# Altium PCB ESP32-PicoDK.PcbDoc (continued)
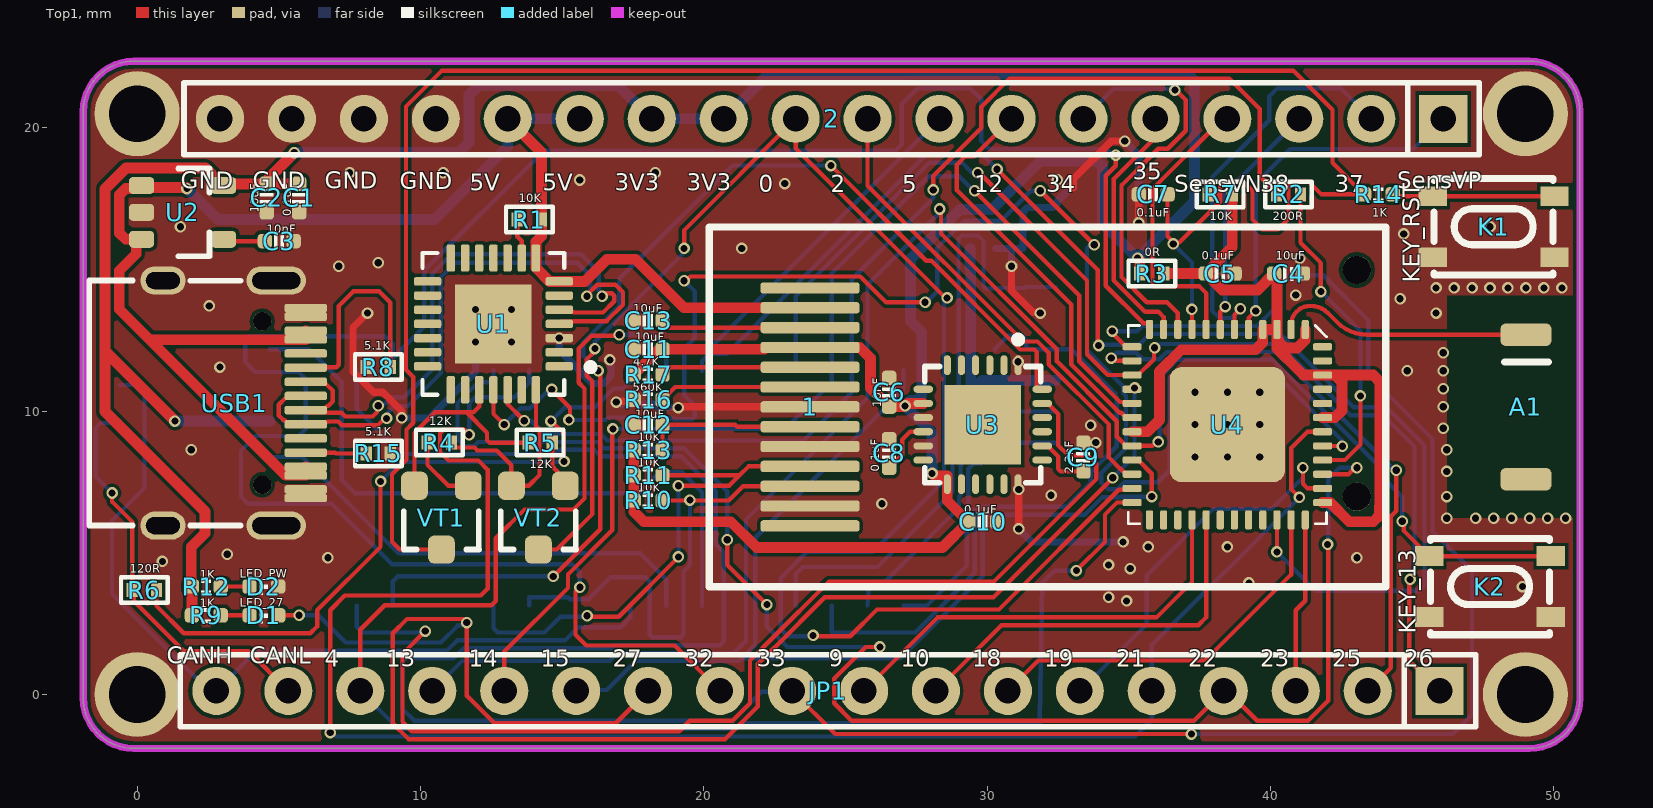
[diagram p0: Top1 view]
## Nets (pads, with @x,y where several pads share a name; then routed paths per layer and width w, separated by ;. In a path a pad name is that pad's centre, name@x,y a point inside that pad or via, vN(x,y) a via of type N, cw(c..) or ccw(c..) an arc to the next point about the centre after c; other vN are vias at no path point) (continued)
GPIO0: 2.10 U4.23 VT2.3 | length 58.3
  Top1 w0.152: VT2.3 14.811,5.116 16.066,6.37 16.066,11.046 15.862,11.249 15.862,11.273 15.862,11.828 16.154,12.119 v1(16.154,12.208) ; v1(19.304,15.748) 19.304,16.383 2.10 23.241,19.285 28.529,13.997 v1(28.589,13.997) ; v1(23.855,2.083) 23.88,2.058 25.172,2.058 26.114,3 30.418,3 34.644,7.226 35.07,7.226 U4.23
  Bottom2 w0.152: v1(16.154,12.208) 16.154,12.452 19.304,15.602 v1(19.304,15.748) ; v1(23.855,2.083) 23.83,2.058 22.963,2.058 22.713,2.308 22.713,4.112 23.633,5.032 25.962,5.032 28.477,7.547 28.477,13.908 28.566,13.997 v1(28.589,13.997)
GPIO2: 2.9 U4.22 | length 16.8
  Top1 w0.152: 2.9 25.781,17.958 31.281,12.458 31.776,12.458 32.177,12.057 32.177,11.652 34.298,9.531 34.298,8.366 34.718,7.947 34.734,7.947 34.906,7.775 U4.22
GPIO4: JP1.16 SW_CAN.5 U4.24 | length 57.5
  Top1 w0.152: JP1.16 7.874,2.286 8.737,3.149 12.5,3.149 12.652,3.302 12.652,5.515 13.668,6.531 15.396,6.531 15.786,6.921 15.786,10.803 15.583,11.006 15.583,11.389 15.583,12.211 16.036,12.665 16.983,12.665 v1(17.018,12.7) ; v1(33.15,4.372) 34.163,5.385 34.163,6.35 34.588,6.775 U4.24
  Bottom2 w0.152: JP1.16 9.207,-1.206 21.126,-1.206 21.316,-1.016 31.858,-1.016 31.861,-0.866 31.941,3.925 32.388,4.372 v1(33.15,4.372) ; v1(17.018,12.7) 18.269,12.7 18.669,12.3 SW_CAN.5
GPIO5: 2.8 SW_CAN.6 U4.34 | length 58.6
  Top1 w0.152: v1(30.353,18.542) 33.909,14.986 33.909,12.346 v1(33.936,12.319) ; v1(40.231,5.031) U4.34
  Bottom2 w0.152: SW_CAN.6 19.939,11.77 SW_CAN.6@20.188,12.018 ; 2.8 20.188,12.187 SW_CAN.6@20.188,12.018 ; v1(30.353,18.542) 29.842,19.053 27.845,19.053 20.811,12.018 SW_CAN.6@20.188,12.018 ; v1(33.936,12.319) 33.961,12.344 35.359,12.344 35.74,12.725 40.351,12.725 42.941,10.135 44.094,10.135 45.441,8.788 45.441,3.848 45.25,3.658 45.1,3.658 41.604,3.658 v1(40.231,5.031)
GPIO9: JP1.9 U4.28 | length 15.4
  Top1 w0.152: JP1.9 28.248,2.721 35.978,2.721 37.231,3.974 U4.28
GPIO10: JP1.8 U4.29 | length 14.1
  Top1 w0.152: JP1.8 30.508,2.441 37.452,2.441 37.731,2.721 U4.29
GPIO12: 2.7 U4.18 | length 14.2
  Top1 w0.152: 2.7 29.528,18.987 29.224,18.987 28.934,18.697 28.934,17.802 32.97,13.766 32.97,11.649 34.673,9.947 34.734,9.947 34.906,9.775 U4.18
GPIO13: JP1.15 K2.3 K2.4 SW_TF.7 U4.20 | length 62.2
  Top1 w0.152: v1(28.321,17.137) 28.37,17.089 28.37,16.275 32.456,12.189 32.456,11.768 34.578,9.646 34.578,9.102 34.733,8.947 34.906,8.775 35.833,8.775 35.974,8.915 v1(36.043,8.915) ; v1(44.653,6.116) 44.702,6.068 44.702,5.785 K2.4 45.926,4.885 K2.3
  Bottom2 w0.152: JP1.15 11.467,1.18 16.674,1.18 16.954,1.46 21.055,1.46 21.492,1.896 21.492,6.178 25.781,10.468 SW_TF.7 25.781,14.463 28.321,17.003 v1(28.321,17.137) ; v1(36.043,8.915) 36.092,8.965 36.092,11.2 36.703,11.811 40.08,11.811 44.035,7.855 44.035,7.587 44.653,6.969 v1(44.653,6.116)
GPIO14: JP1.14 SW_TF.6 U4.17 | length 39.8
  Top1 w0.152: JP1.14 12.954,1.512 15.204,3.762 15.204,4.239 16.764,5.799 16.764,9.347 v1(16.789,9.373) ; v1(29.556,17.78) 33.25,14.086 33.25,11.765 34.691,10.324 35.07,10.324 U4.17
  Bottom2 w0.152: v1(16.789,9.373) 22.866,9.373 24.511,11.017 24.511,14.861 27.94,18.291 29.01,18.291 29.521,17.78 v1(29.556,17.78)
GPIO15: JP1.13 SW_TF.8 U4.21 | length 38.6
  Top1 w0.152: U4.21 35.332,8.275 35.814,7.793 v1(35.814,6.985)
  Bottom2 w0.152: JP1.13 15.522,0.155 16.573,0.155 17.598,1.18 21.246,1.18 21.336,1.27 ; SW_TF.8 27.051,10.768 21.819,5.536 21.819,1.753 21.336,1.27 ; v1(35.814,6.985) 34.739,6.985 34.721,6.967 34.069,6.967 33.452,6.35 29.934,6.35 29.845,6.261 29.845,4.179 26.936,1.27 21.336,1.27
GPIO18: JP1.7 U4.35 | length 13.6
  Top1 w0.152: JP1.7 31.804,1.197 37.697,1.197 40.731,4.231 U4.35
GPIO19: JP1.6 U4.38 | length 13.7
  Top1 w0.152: v1(41.148,8.001) 41.148,7.437 41.31,7.275 U4.38
  Bottom2 w0.152: JP1.6 35.639,2.492 35.639,4.21 37.979,6.549 40.041,6.549 41.148,7.656 v1(41.148,8.001)
GPIO21: JP1.5 SW_OLED.4 U4.42 | length 64.6
  Top1 w0.152: v1(6.81,-1.343) 6.81,2.975 7.327,3.492 12.128,3.492 12.373,3.737 12.373,7.928 12.043,8.258 10.988,8.258 10.69,8.556 10.69,9.224 10.809,9.343 11.543,9.343 v1(11.714,9.172) ; v1(41.024,6.957) 40.742,7.239 40.742,8.707 41.31,9.275 U4.42
  Bottom2 w0.152: v1(6.81,-1.343) 6.879,-1.343 7.021,-1.485 35.218,-1.485 35.814,-0.889 35.814,1.747 v1(41.024,6.957) ; v1(11.714,9.172) 11.714,10.281 11.923,10.489 13.315,10.489 13.843,11.017 SW_OLED.4
GPIO22: JP1.4 SW_OLED.3 U4.39 | length 56
  Top1 w0.152: v1(20.826,5.464) 20.826,4.574 v1(22.225,3.175) ; v1(26.216,1.676) 25.714,1.676 24.601,0.563 24.601,-0.309 25.218,-0.926 37.301,-0.926 JP1.4 38.481,0.127 39.534,-0.926 41.33,-0.926 42.037,-0.219 42.037,5.28 v1(42.018,5.299) ; U4.39 42.758,7.775 42.984,8.001 v1(43.053,8.001)
  Bottom2 w0.152: SW_OLED.3 SW_OLED.3@12.573,11.027 ; v1(20.826,5.464) 20.826,7.168 19.307,8.687 16.48,8.687 16.253,8.914 12.031,8.914 11.883,8.765 11.546,8.765 11.308,9.003 11.308,10.292 12.043,11.027 ; v1(22.225,3.175) 22.225,2.401 22.949,1.676 v1(26.216,1.676) ; v1(42.018,5.299) 42.018,5.315 42.037,5.334 42.037,7.596 42.442,8.001 v1(43.053,8.001) ; 12.043,11.027 SW_OLED.3@12.573,11.027 ; 12.043,11.027 SW_OLED.3@12.573,11.027
GPIO23: JP1.3 U4.36 | length 6.2
  Top1 w0.152: JP1.3 40.894,2.975 41.231,3.312 U4.36
GPIO25: JP1.2 U4.14 | length 21.1
  Top1 w0.152: v1(34.38,11.875) 34.448,11.875 34.548,11.775 U4.14 ; JP1.2 44.247,0.94 44.247,6.285 44.442,6.479 v1(44.442,7.913)
  Bottom2 w0.152: v1(34.38,11.875) 34.569,12.065 35.257,12.065 35.491,11.832 36.08,11.832 36.339,12.09 40.195,12.09 44.373,7.913 v1(44.442,7.913)
GPIO26: JP1.1 SW_TF.5 U4.15 | length 42.5
  Top1 w0.152: v1(29.672,18.415) 29.724,18.415 33.529,14.61 33.529,12.008 34.262,11.275 35.332,11.275 35.892,11.836 35.892,12.143 35.912,12.163 v1(35.912,12.238) ; v1(44.933,4.064) 44.899,4.03 44.899,1.202 JP1.1
  Bottom2 w0.152: SW_TF.5 23.241,14.054 27.961,18.774 29.112,18.774 29.47,18.415 v1(29.672,18.415) ; v1(35.912,12.238) 35.98,12.238 36.112,12.37 40.311,12.37 42.826,9.855 43.979,9.855 44.809,9.025 45.085,8.749 45.085,4.285 44.933,4.133 v1(44.933,4.064) ; JP1.1@45.847,0.254 JP1.1
GPIO27: D1.2 JP1.12 U4.16 | length 57.2
  Top1 w0.152: D1.2 v1(5.715,2.794) ; JP1.12 16.891,-1.016 12.608,-1.016 11.703,-0.112 11.635,-0.043 v1(11.635,2.54) 11.508,2.667 9.525,2.667 9.017,2.159 9.017,-1.016 9.576,-1.575 20.757,-1.575 21.907,-0.425 21.907,1.079 22.479,1.652 22.493,1.652 24.271,3.429 30.226,3.429 34.437,7.64 v1(34.437,7.653) ; U4.16 35.163,10.82 v1(35.204,10.82)
  Bottom2 w0.152: v1(5.715,2.794) 6.401,2.794 7.363,1.832 10.711,1.832 11.318,2.439 11.465,2.439 11.566,2.54 v1(11.635,2.54) ; v1(34.437,7.653) 35.204,8.421 v1(35.204,10.82)
GPIO32: JP1.11 SW_IMU.4 U4.12 | length 77.1
  Top1 w0.152: v1(15.624,3.788) 15.472,3.635 15.472,2.111 15.853,1.73 18.971,1.73 JP1.11 ; v1(34.54,19.041) 34.54,18.665 34.188,18.313 34.188,14.43 35.509,13.11 35.682,13.11 35.731,13.061 U4.12
  Bottom2 w0.152: SW_IMU.4 9.017,11.546 SW_IMU.4@9.017,11.867 ; v1(15.624,3.788) 15.624,4.321 15.345,4.6 8.995,4.6 6.861,6.734 3.915,6.734 3.661,6.988 3.661,8.614 4.169,9.122 5.693,9.122 5.947,9.376 5.947,11.128 5.693,11.382 4.169,11.382 3.813,11.738 3.813,12.522 3.94,12.649 8.741,12.649 9.017,12.373 SW_IMU.4@9.017,11.867 ; v1(34.54,19.041) 34.421,19.041 34.206,19.256 30.077,19.256 29.797,19.536 29.797,21.009 29.416,21.39 27.537,21.39 26.983,20.836 26.983,19.414 26.775,19.205 14.365,19.205 10.135,14.975 10.135,12.985 SW_IMU.4@9.017,11.867
GPIO33: JP1.10 SW_IMU.3 U4.13 | length 100.7
  Top1 w0.152: JP1.10 24.638,-1.397 v1(37.211,-1.397) ; v1(34.417,12.827) 34.417,12.764 34.906,12.275 U4.13
  Bottom2 w0.152: SW_IMU.3 7.747,10.079 9.34,8.486 14.749,8.486 14.897,8.634 16.137,8.634 16.364,8.407 19.192,8.407 20.419,7.18 20.419,5.296 20.701,5.014 20.701,1.867 20.573,1.739 16.838,1.739 16.729,1.63 11.522,1.63 11.163,1.271 9.44,1.271 9.35,1.182 9.35,-0.492 9.784,-0.926 21.01,-0.926 22.035,0.099 23.086,0.099 JP1.10 ; v1(34.417,12.827) 35.304,12.827 35.484,13.008 39.526,13.008 40.218,13.699 40.218,14.373 40.64,14.795 41.867,14.795 43.459,13.203 43.459,11.278 45.72,9.017 45.72,5.764 47.117,4.367 47.117,-0.717 46.437,-1.397 v1(37.211,-1.397)
GPIO34: 2.6 U4.10 | length 14.7
  Top1 w0.152: v1(36.629,21.336) 36.629,21.366 37.011,20.983 37.011,19.901 36.377,19.267 36.043,19.267 34.747,17.971 34.747,14.734 35.635,13.846 36.351,13.846 36.731,13.466 U4.10
  Bottom2 w0.152: 2.6 34.454,21.373 36.591,21.373 v1(36.629,21.336)
GPIO35: 2.5 U4.11 | length 9
  Top1 w0.152: 2.5 35.941,19.671 34.468,18.198 34.468,14.618 35.578,13.508 36.046,13.508 36.231,13.323 U4.11
GPIO37: 2.2 U4.6 | length 14.6
  Top1 w0.152: U4.6 38.731,13.407 v1(38.941,13.617)
  Bottom2 w0.152: v1(38.941,13.617) 38.611,13.287 38.205,13.287 37.951,13.541 37.951,18.266 39.957,20.272 39.957,21.11 40.237,21.39 42.491,21.39 2.2
GPIO38: 2.3 U4.7 | length 8.6
  Top1 w0.152: U4.7 38.231,13.517 v1(38.408,13.694)
  Bottom2 w0.152: v1(38.408,13.694) 38.408,17.707 2.3
MPU_SCL: SW_IMU.2 U3.23 | length 40
  Top1 w0.152: v1(10.165,2.238) 9.361,1.434 9.361,-0.965 9.692,-1.295 19.137,-1.295 19.506,-0.926 21.01,-0.926 21.627,-0.309 21.627,1.195 21.791,1.359 22.363,1.931 24.423,3.991 30.239,3.991 33.858,7.61 33.858,8.138 33.563,8.433 32.872,8.433 32.512,8.792 32.512,9.897 32.219,10.19 32.219,10.2 32.144,10.275 U3.23
  Bottom2 w0.152: SW_IMU.2 7.747,2.391 7.949,2.189 9.936,2.189 ; 9.937,2.19 10.116,2.19 v1(10.165,2.238)
MPU_SDA: SW_IMU.1 U3.24 | length 39.2
  Top1 w0.152: v1(14.684,4.169) 16.345,5.829 16.345,11.354 v1(16.269,11.43) ; v1(24.489,18.672) 27.851,15.31 28.034,15.31 31.166,12.178 31.661,12.178 31.75,12.089 31.75,10.82 31.795,10.775 U3.24
  Bottom2 w0.152: SW_IMU.1 9.017,3.991 9.195,4.169 v1(14.684,4.169) ; v1(16.269,11.43) 15.748,11.951 15.748,12.441 17.018,13.712 17.018,14.672 21.018,18.672 v1(24.489,18.672)
Net1_3: 1.3 C13.2 | length 5.3
  Top1 w0.152: C13.2 18.79,12.951 1.3
Net1_5: 1.5 R17.1 | length 5.3
  Top1 w0.152: R17.1 18.799,11.551 1.5
Net1_6: 1.6 R16.1 | length 5.4
  Top1 w0.152: R16.1 18.988,10.851 1.6
Net1_8: 1.8 C12.2 R13.1 | length 6.1
  Top1 w0.152: R13.1 C12.2 21.111,9.516 21.176,9.451 1.8
NetA1_1: A1.1 U4.2 | length 17.8
  Top1 w0.152: U4.2@40.731,13.045 cw(c41.402,13.045) 41.402,13.716 ; U4.2@40.731,13.045 cw(c41.402,13.045) 41.402,13.716 ; U4.2@40.731,13.045 U4.2 U4.2@40.731,13.045 ; 41.402,13.716 41.424,13.716 ; 41.402,13.716 41.424,13.716 ; 41.424,13.716 cw(c41.424,12.849) 42.037,13.462 ; 41.424,13.716 cw(c41.424,12.849) 42.037,13.462 ; 42.037,13.462 42.368,13.131 ; 42.368,13.131 ccw(c43.409,14.172) 43.409,12.7 ; 42.368,13.131 ccw(c43.409,14.172) 43.409,12.7 ; 43.409,12.7 A1.1 43.409,12.7
NetC3_2: C3.2 U2.4 | length 1.5
  Top1 w0.152: U2.4 3.113,16.002 C3.2
NetC8_1: C8.1 U3.10 | length 2
  Top1 w0.152: C8.1 27.003,8.461 27.003,8.996 27.283,9.275 U3.10
NetC9_2: C9.2 U3.20 | length 2.1
  Top1 w0.152: U3.20 32.144,8.775 32.233,8.686 32.233,8.677 32.512,8.397 32.512,7.963 32.601,7.874 C9.2
NetD1_1: D1.1 R9.2 | length 1
  Top1 w0.152: R9.2 D1.1
NetD2_1: D2.1 R12.2 | length 1
  Top1 w0.152: R12.2 D2.1
NetK1_2: K1.3 K1.4 R14.1 | length 5.7
  Top1 w0.152: R14.1 44.391,17.585 K1.3
NetR1_1: R1.1 U1.9 | length 1.4
  Top1 w0.152: R1.1 13.418,16.16 13.573,16.005 U1.9
NetR2_1: R2.1 U1.26 | length 39.8
  Top1 w0.152: U1.26 13.073,10.25 v1(13.664,9.66) ; v1(28.096,17.808) 28.096,18.302 29.797,20.003 29.797,20.746 30.794,21.742 38.548,21.742 39.624,20.666 39.624,18.294 40.091,17.827 40.215,17.703 R2.1
  Bottom2 w0.152: v1(13.664,9.66) 13.911,9.66 14.378,9.193 16.369,9.193 16.596,8.966 23.521,8.966 25.225,10.671 25.225,14.659 28.096,17.529 v1(28.096,17.808)
NetR4_1: R4.1 VT1.1 | length 2.5
  Top1 w0.152: R4.1 10.243,8.106 10.983,7.366 VT1.1
NetR5_1: R5.1 VT2.1 | length 1.7
  Top1 w0.152: R5.1 14.649,8.055 14.821,7.883 14.821,7.653 VT2.1
NetR6_1: R6.1 SW_CAN.4 | length 24.9
  Top1 w0.152: R6.1 0.679,3.125 1.645,2.159 6.106,2.159 6.35,2.403 6.35,2.972 8.588,5.21 v1(8.588,7.521) ; v1(14.605,9.652) 14.624,9.652 15.065,9.211 v1(15.065,8.228)
  Bottom2 w0.152: v1(8.588,7.521) 9.273,8.206 15.044,8.206 v1(15.065,8.228) ; v1(14.605,9.652) 15.088,10.135 16.147,10.135 16.814,10.801 17.15,10.801 17.399,11.05 SW_CAN.4
NetR8_2: R8.2 USB1.A5 | length 7.8
  Top1 w0.152: USB1.A5 5.96,11.548 7.023,11.548 7.112,11.637 7.112,13.716 7.631,14.235 8.536,14.235 8.934,13.838 R8.2
NetR15_2: R15.2 USB1.B5 | length 2.1
  Top1 w0.152: USB1.B5 6.988,8.537 7.016,8.509 R15.2
OLED_SCL: 1.10 R11.1 SW_OLED.2 | length 18.7
  Top1 w0.152: v1(15.878,2.782) 15.914,2.746 16.996,2.746 v1(19.104,4.854) ; R11.1 21.262,7.738 ; v1(19.104,7.369) 20.893,7.369 21.262,7.738 ; 1.10 21.575,8.051 21.262,7.738
  Bottom2 w0.152: SW_OLED.2 12.573,2.34 12.724,2.189 14.38,2.189 14.937,2.746 15.843,2.746 v1(15.878,2.782) ; v1(19.104,4.854) v1(19.104,7.369)
OLED_SDA: 1.11 R10.1 SW_OLED.1 | length 19.8
  Top1 w0.152: R10.1 v1@19.498,6.849 ; v1(19.51,6.861) v1@19.498,6.849 ; 1.11 21.384,7.351 20.882,6.849 ; v1@19.498,6.849 20.882,6.849 ; v1@19.498,6.849 20.882,6.849
  Bottom2 w0.152: SW_OLED.1 13.843,3.432 15.204,3.432 15.277,3.359 15.932,3.359 16.716,4.143 17.936,4.143 18.088,3.991 18.088,2.108 18.177,2.018 19.193,2.018 19.282,2.108 19.282,4.346 19.51,4.575 v1(19.51,6.861)
RTS: R5.2 U1.24 VT1.2 | length 7.9
  Top1 w0.152: VT1.2 9.784,9.238 10.506,9.96 11.63,9.96 ; U1.24 12.073,10.168 11.865,9.96 11.63,9.96 ; R5.2 12.439,8.89 12.349,8.979 12.349,9.241 11.63,9.96
SD_CLK: R20.1 SW_TF.3 TF1.5 | length 22.6
  Bottom2 w0.152: SW_TF.3 24.511,2.213 24.535,2.189 27.46,2.189 29.566,4.294 29.566,6.515 29.68,6.629 32.807,6.629 33.653,7.476 33.653,7.839 34.578,8.763 34.578,10.477 34.519,10.536 34.519,10.643 32.976,12.186 31.474,12.186 31.382,12.278 31.382,12.5 31.221,12.661 30.739,12.661 R20.1
SD_CS: R21.1 SW_TF.1 TF1.2 | length 10.7
  Bottom2 w0.152: SW_TF.1 SW_TF.1@27.051,3.127 ; TF1.2 31.325,8.886 31.321,8.89 R21.1 30.27,8.84 30.103,8.673 30.103,8.44 29.82,8.157 29.537,8.157 29.337,7.957 29.337,6.681 29.286,6.63 29.286,4.556 27.857,3.127 ; SW_TF.1@27.051,3.127 27.857,3.127 ; SW_TF.1@27.051,3.127 27.857,3.127
SD_MISO: R18.1 SW_TF.4 TF1.7 | length 22.4
  Bottom2 w0.152: SW_TF.4 23.241,4.245 23.495,4.499 26.127,4.499 28.778,7.15 28.778,10.549 28.996,10.766 28.996,14.165 28.992,14.169 28.992,16.082 29.111,16.201 29.679,16.201 29.874,16.007 29.874,14.405 29.95,14.329 ; TF1.7 31.356,14.386 31.321,14.351 R18.1 R18.1@30.27,14.329 ; 29.95,14.329 R18.1@30.27,14.329 ; 29.95,14.329 R18.1@30.27,14.329
SD_MOSI: R19.1 SW_TF.2 TF1.3 | length 11.4
  Bottom2 w0.152: SW_TF.2 25.845,3.991 26.402,3.991 29.007,6.595 29.007,6.983 29.058,7.034 29.058,8.073 29.422,8.437 29.704,8.437 29.823,8.556 29.823,9.586 30.096,9.859 30.146,9.859 30.27,9.983 R19.1 30.317,9.986 TF1.3
SENSOR_VN: 2.4 U4.8 | length 10.3
  Top1 w0.152: U4.8 37.731,14.167 37.494,14.405 35.899,14.405 35.836,14.468 35.836,17.839 38.316,20.32 2.4
SENSOR_VP: 2.1 U4.5 | length 12.8
  Top1 w0.152: U4.5 39.231,13.287 v1(39.485,13.541)
  Bottom2 w0.152: v1(39.485,13.541) 39.485,18.038 40.704,19.256 45.037,19.256 2.1
USB-PWR-DM: U1.5 USB1.A7 USB1.B7 | length 20.3
  Top1 w0.152: USB1.B7 6.023,10.963 6.666,10.963 6.902,10.727 6.902,10.347 6.739,10.184 6.696,10.184 USB1.A7@6.549,10.037 ; USB1.A7@6.023,9.963 6.549,9.963 6.688,9.963 6.712,9.939 7.219,9.939 7.345,9.814 8.31,9.814 8.46,9.964 ; U1.5 14.973,13.505 15.371,13.505 15.393,13.483 16.442,13.483 16.84,13.881 16.84,14.073 16.751,14.162 16.579,14.162 16.477,14.06 v1(16.408,14.06)
  Bottom2 w0.152: v1(8.509,10.189) 8.558,10.238 8.71,10.238 8.961,10.489 9.426,10.489 10.414,11.477 10.414,14.86 11.099,15.545 15.658,15.545 16.294,14.909 16.294,14.243
USB-PWR-DP: U1.4 USB1.A6 USB1.B6 | length 22.6
  Top1 w0.152: USB1.A6 5.875,10.463 5.232,10.463 4.996,10.227 4.996,9.847 5.159,9.684 5.202,9.684 5.349,9.537 USB1.B6 6.023,9.611 6.688,9.611 6.712,9.635 7.093,9.635 7.218,9.509 8.499,9.509 8.735,9.745 v1(8.804,9.745) ; U1.4 14.973,13.157 15.371,13.157 15.393,13.179 16.568,13.179 17.145,13.755 17.145,14.199 16.877,14.467 16.24,14.467 15.875,14.102 v1(15.875,14.06)
  Bottom2 w0.152: v1(8.804,9.745) 8.853,9.793 8.853,9.95 9.087,10.184 9.552,10.184 10.719,11.351 10.719,14.733 11.225,15.24 15.532,15.24 15.989,14.782 15.989,14.243 15.875,14.129 v1(15.875,14.06)
VBUS: 1.2 2.13 2.14 R1.2 U1.7 U1.8 U2.1 U2.3 USB1.A4 USB1.A9 USB1.B4 USB1.B9 | length 55.7
  Top1 w0.381: U2.3@-0.038,16.068 -0.225,16.068 -0.409,16.068 -0.632,16.291 -0.632,17.635 -0.409,17.858 0.042,17.858 U2.1 0.223,17.896 1.712,17.896 1.749,17.859 v1(1.756,17.859) ; U2.3 0.071,16.068 -0.038,15.959 -0.038,15.554 -0.632,14.961 -0.632,13.6 0.443,12.525 ; USB1.B4 USB1.A9 5.231,7.737 4.931,8.037 0.443,12.525 ; USB1.A4 USB1.B9 5.937,12.525 4.666,12.525 0.443,12.525 ; 2.14 14.268,19.133 R1.2 14.268,16.175 14.073,15.98 U1.8 14.073,15.065 14.557,14.581 U1.7 15.798,14.581 16.579,15.363 17.586,15.363 19.297,13.651 1.2
  Bottom2 w0.381: v1(1.756,17.859) 2.851,16.764 10.499,16.764 13.081,19.346 2.14 2.13
VCC_3V3: 1.4 2.11 2.12 C1.2 C2.2 C6.1 C10.2 C11.2 R3.1 R9.1 R10.2 R11.2 R12.1 R13.2 R17.2 U2.5 U3.8 U3.13 U5.3 | length 125.2
  Top1 w0.381: v1(1.33,9.652) -1.14,12.122 ; R9.1 R12.1 1.908,3.81 1.908,5.21 2.391,5.693 2.391,6.455 -1.14,9.985 -1.14,12.122 ; U2.5@2.899,18.095 2.408,18.585 -0.4,18.585 -1.14,17.846 -1.14,12.122 ; U2.5 3.098,18.02 4.558,18.02 C2.2 ; v1(5.54,19.129) 5.535,19.124 5.535,19.112 4.635,18.213 4.635,18.097 C2.2 ; C1.2 5.701,18.02 4.586,18.02 C2.2 ; R13.2 R11.2 R10.2 17.526,6.458 17.885,6.099 20.952,6.099 21.866,5.185 28.426,5.185 C10.2 28.595,6.838 U3.13 U3.13@28.595,7.725 ; R17.2 18.415,12.183 C11.2 22.131,12.183 22.19,12.242 23.74,12.242 1.4 25.505,12.251 25.886,11.87 25.886,10.817 C6.1 27.07,10.16 27.098,10.188 v1(27.105,10.188) ; v1@27.195,10.275 U3.8 ; v1(28.058,7.801) v1@28.134,7.725 ; v1(35.309,15.395) 35.389,15.316 R3.1 ; v1@28.134,7.725 U3.13@28.595,7.725 ; v1@28.134,7.725 U3.13@28.595,7.725
  Bottom2 w0.381: v1(1.33,9.652) U5.3 ; v1(5.54,19.129) 11.357,19.129 11.713,19.485 11.713,21.161 12.043,21.491 16.99,21.491 2.12 2.11 22.279,21.898 ; 22.501,21.772 27.929,21.907 27.934,21.907 37.09,21.907 37.314,21.684 37.314,19.836 37.319,19.831 37.319,17.405 v1(35.309,15.395) 34.071,16.634 34.071,18.641 33.887,18.824 31.868,18.824 30.163,17.119 29.039,17.119 27.292,15.372 27.292,13.19 27.694,12.788 27.694,10.561 27.508,10.375 27.298,10.375 27.112,10.188 v1(27.105,10.188) 27.232,10.061 28.058,9.236 v1(28.058,7.801)
pads on no net: 1.1 1.13 A1. TF1.0 TF1.1 TF1.8 TF1.9 U1.1 U1.2 U1.6 U1.10 U1.11 U1.12 U1.13 U1.14 U1.15 U1.16 U1.17 U1.18 U1.19 U1.20 U1.21 U1.22 U1.23 U1.27 U3. U3.2 U3.3 U3.4 U3.5 U3.6 U3.7 U3.12 U3.14 U3.15 U3.16 U3.17 U3.19 U3.21 U3.22 U4.26 U4.44 U4.45 U4.47 U4.48 U5.5 U5.8 USB1.0 USB1.A8 USB1.B8

## Polygon pours and split planes (outlines as drawn)
GND on Top1 "GND_L01" (solid, remove dead copper, pour order 4): -3.794,23.569 52.848,23.569 52.848,-4.117 -3.794,-4.117
GND on Bottom2 "GND_L02" (solid, remove dead copper, pour order 8): -3.794,23.569 52.848,23.569 52.848,-4.117 -3.794,-4.117

## Keep-outs
Keep-Out Layer:
  the board outline again, w0.254

## Other copper
Top1:
  pour cut-out: 46.228,14.097 46.228,6.223 51.943,6.223 51.943,14.097
Bottom2:
  pour cut-out: 46.228,14.097 46.228,6.223 51.943,6.223 51.943,14.097

## Silkscreen, mask and mechanical layers (free items; w line width, h text height)
Top Overlay:
  text "35" at 35.146,17.983 h1.02
  text "GND" at 1.543,17.653 h1.02
  text "GND" at 4.083,17.653 h1.02
  text "GND" at 6.623,17.653 h1.02
  text "SensVP" at 44.473,17.653 h1.02
  text "GND" at 9.26,17.634 h1.02
  text "5V" at 11.731,17.59 h1.02
  text "5V" at 14.312,17.59 h1.02
  text "3V3" at 16.852,17.59 h1.02
  text "3V3" at 19.392,17.59 h1.02
  text "0" at 21.932,17.539 h1.02
  text "2" at 24.472,17.539 h1.02
  text "5" at 27.012,17.539 h1.02
  text "12" at 29.552,17.539 h1.02
  text "34" at 32.092,17.539 h1.02
  text "SensVN" at 36.599,17.526 h1.02
  text "38" at 39.643,17.526 h1.02
  text "37" at 42.272,17.526 h1.02
  text "KEY_RST" at 45.46,14.527 h1.02 r90
  text "KEY_13" at 45.333,2.142 h1.02 r90
  text "CANH" at 1.039,0.889 h1.02
  text "CANL" at 3.98,0.889 h1.02
  text "4" at 6.623,0.787 h1.02
  text "13" at 8.786,0.787 h1.02
  text "14" at 11.703,0.787 h1.02
  text "15" at 14.243,0.787 h1.02
  text "27" at 16.783,0.787 h1.02
  text "32" at 19.323,0.787 h1.02
  text "33" at 21.863,0.787 h1.02
  text "9" at 24.403,0.787 h1.02
  text "10" at 26.943,0.787 h1.02
  text "18" at 29.483,0.787 h1.02
  text "19" at 32.023,0.787 h1.02
  text "21" at 34.563,0.787 h1.02
  text "22" at 37.103,0.787 h1.02
  text "23" at 39.643,0.787 h1.02
  text "25" at 42.183,0.787 h1.02
  text "26" at 44.723,0.787 h1.02
Bottom Overlay:
  lines w0.254: 27.94,14.732 27.94,18.732
  text "ESP32-Pico-开发板V2.0" at 27.418,16.091 h2.54
  text "Made By FZQ" at 27.769,14.011 h1.6
  text "@GitHub fan-ziqi" at 18.255,13.549 h1.2
Top Solder:
  rectangle: 46.228,6.223 51.943,14.097
  text "KEY" at 1.325,19.863 h1.2
  text "RST" at 14.545,19.862 h1.2
Bottom Solder:
  rectangle: 46.228,6.223 51.943,14.097
Mechanical 1:
  the board outline again, w0.254
Drill Drawing:
  circle w0.254: c1.413,63.685 r0.847
  lines w0.254: 0.566,40.401 0.99,40.401 0.99,39.978 1.836,39.978 1.836,40.401 2.26,40.401 2.26,41.248 1.836,41.248 1.836,41.671 0.99,41.671 0.99,41.248 0.566,41.248 0.566,40.401 ; 0.566,43.788 1.413,44.211 2.26,43.788 1.836,44.635 2.26,45.481 1.413,45.058 0.566,45.481 0.99,44.635 0.566,43.788 ; 0.566,47.598 0.566,48.021 0.99,48.445 0.566,48.868 0.566,49.291 0.99,49.291 1.413,48.868 1.836,49.291 2.26,49.291 2.26,48.868 1.836,48.445 2.26,48.021 2.26,47.598 1.836,47.598 1.413,48.021 0.99,47.598 0.566,47.598 ; 0.566,51.831 0.99,51.831 1.413,51.408 1.836,51.831 2.26,51.831 1.836,52.255 2.26,52.678 1.836,52.678 1.413,53.101 0.99,52.678 0.566,52.678 0.99,52.255 0.566,51.831 ; 0.566,56.911 2.26,56.911 1.413,55.218 0.566,56.911 ; 0.566,59.028 2.26,59.028 2.26,60.721 0.566,60.721 0.566,59.028
  lines w0.381: -0.953,38.835 334.284,38.835 ; -0.953,65.505 334.284,65.505 ; 13.04,35.025 13.04,69.315 ; 27.768,35.025 27.768,69.315 ; 55.7,35.025 55.7,69.315 ; 68.549,35.025 68.549,69.315 ; 87.188,35.025 87.188,69.315 ; 117.405,35.025 117.405,69.315 ; 132.387,35.025 132.387,69.315 ; 151.33,35.025 151.33,69.315 ; 181.547,35.025 181.547,69.315 ; 203.233,35.025 203.233,69.315 ; 237.107,35.025 237.107,69.315 ; 270.98,35.025 270.98,69.315 ; 298.658,35.025 298.658,69.315 ; -0.953,35.025 334.284,35.025 334.284,69.315 -0.953,69.315 -0.953,35.025
  text "Symbol" at 1.333,66.648 h1.83
  text "Count" at 14.183,66.648 h1.83
  text "Hole Size" at 28.911,66.648 h1.83
  text "Plated" at 56.843,66.648 h1.83
  text "Hole Type" at 69.692,66.648 h1.83
  text "Drill Layer Pair" at 88.331,66.648 h1.83
  text "Via/Pad" at 118.548,66.648 h1.83
  text "Pad Shape" at 133.53,66.648 h1.83
  text "Template" at 152.473,66.648 h1.83
  text "Description" at 182.69,66.648 h1.83
  text "Hole Tolerance (+)" at 204.376,66.648 h1.83
  text "Hole Tolerance (-)" at 238.25,66.648 h1.83
  text "Hole Length" at 272.123,66.648 h1.83
  text "Routed Path Length" at 299.801,66.648 h1.83
  text "2" at 14.183,62.838 h1.52
  text "23.62mil (0.600mm)" at 28.911,62.838 h1.52
  text "PTH" at 56.843,62.838 h1.52
  text "Slot" at 69.692,62.838 h1.52
  text "Top1 - Bottom2" at 88.331,62.838 h1.52
  text "Pad" at 118.548,62.838 h1.52
  text "Rounded" at 133.53,62.838 h1.52
  text "r160_100h60_120r100" at 152.473,62.838 h1.52
  text "47.24mil (1.200mm)" at 272.123,62.838 h1.52
  text "23.62mil (0.600mm)" at 299.801,62.838 h1.52
  text "2" at 14.183,59.028 h1.52
  text "23.62mil (0.600mm)" at 28.911,59.028 h1.52
  text "PTH" at 56.843,59.028 h1.52
  text "Slot" at 69.692,59.028 h1.52
  text "Top1 - Bottom2" at 88.331,59.028 h1.52
  text "Pad" at 118.548,59.028 h1.52
  text "Rounded" at 133.53,59.028 h1.52
  text "r210_100h60_170r100" at 152.473,59.028 h1.52
  text "66.93mil (1.700mm)" at 272.123,59.028 h1.52
  text "43.31mil (1.100mm)" at 299.801,59.028 h1.52
  text "2" at 14.183,55.218 h1.52
  text "25.59mil (0.650mm)" at 28.911,55.218 h1.52
  text "PTH" at 56.843,55.218 h1.52
  text "Round" at 69.692,55.218 h1.52
  text "Top1 - Bottom2" at 88.331,55.218 h1.52
  text "Pad" at 118.548,55.218 h1.52
  text "Rounded" at 133.53,55.218 h1.52
  text "c65h65" at 152.473,55.218 h1.52
  text "-" at 272.123,55.218 h1.52
  text "-" at 299.801,55.218 h1.52
  text "2" at 14.183,51.408 h1.52
  text "39.37mil (1.000mm)" at 28.911,51.408 h1.52
  text "NPTH" at 56.843,51.408 h1.52
  text "Round" at 69.692,51.408 h1.52
  text "Top1 - Bottom2" at 88.331,51.408 h1.52
  text "Pad" at 118.548,51.408 h1.52
  text "Rounded" at 133.53,51.408 h1.52
  text "c100hn100" at 152.473,51.408 h1.52
  text "-" at 272.123,51.408 h1.52
  text "-" at 299.801,51.408 h1.52
  text "4" at 14.183,47.598 h1.52
  text "78.74mil (2.000mm)" at 28.911,47.598 h1.52
  text "PTH" at 56.843,47.598 h1.52
  text "Round" at 69.692,47.598 h1.52
  text "Top1 - Bottom2" at 88.331,47.598 h1.52
  text "Pad" at 118.548,47.598 h1.52
  text "Rounded" at 133.53,47.598 h1.52
  text "c300h200" at 152.473,47.598 h1.52
  text "-" at 272.123,47.598 h1.52
  text "-" at 299.801,47.598 h1.52
  text "36" at 14.183,43.788 h1.52
  text "35.43mil (0.900mm)" at 28.911,43.788 h1.52
  text "PTH" at 56.843,43.788 h1.52
  text "Round" at 69.692,43.788 h1.52
  text "Top1 - Bottom2" at 88.331,43.788 h1.52
  text "Pad" at 118.548,43.788 h1.52
  text "(Mixed)" at 133.53,43.788 h1.52
  text "(Mixed)" at 152.473,43.788 h1.52
  text "-" at 272.123,43.788 h1.52
  text "-" at 299.801,43.788 h1.52
  text "163" at 14.183,39.978 h1.52
  text "10.00mil (0.254mm)" at 28.911,39.978 h1.52
  text "PTH" at 56.843,39.978 h1.52
  text "Round" at 69.692,39.978 h1.52
  text "Top1 - Bottom2" at 88.331,39.978 h1.52
  text "Via" at 118.548,39.978 h1.52
  text "Rounded" at 133.53,39.978 h1.52
  text "v41h25m0mx0" at 152.473,39.978 h1.52
  text "-" at 272.123,39.978 h1.52
  text "-" at 299.801,39.978 h1.52
  text "211 Total" at 14.183,36.168 h1.52
  text "Slot definitions :" at 1.333,32.486 h1.52
  text "Routed Path Length" at 27.564,32.486 h1.52
  text "= Calculated from tool start centre position to tool end centre position." at 55.572,32.486 h1.52
  text "Hole Length" at 27.564,29.946 h1.52
  text "= Routed Path Length + Tool Size = Slot length as defined in the PCB layout" at 45.161,29.946 h1.52

## Text inside footprints (layer, text, board x,y; h text height)
SW_CAN: Bottom Overlay "ON" at 20.701,8.976 h1
SW_IMU: Bottom Overlay "ON" at 9.779,8.988 h1
SW_OLED: Bottom Overlay "ON" at 14.605,8.988 h1
SW_TF: Bottom Overlay "ON" at 27.813,8.988 h1
TF1: Bottom Overlay "1" at 34.671,7.888 h0.76 r90; Bottom Overlay "2" at 34.671,8.98 h0.76 r90; Bottom Overlay "3" at 34.671,10.047 h0.76 r90; Bottom Overlay "4" at 34.671,11.24 h0.76 r90; Bottom Overlay "5" at 34.671,12.307 h0.76 r90; Bottom Overlay "6" at 34.671,13.374 h0.76 r90; Bottom Overlay "7" at 34.671,14.441 h0.76 r90; Bottom Overlay "8" at 34.671,15.558 h0.76 r90; Bottom Overlay "k" at 34.671,16.828 h0.76 r90